# KiCad board RX8-7(Finished_BeforeESPChange).kicad_pcb
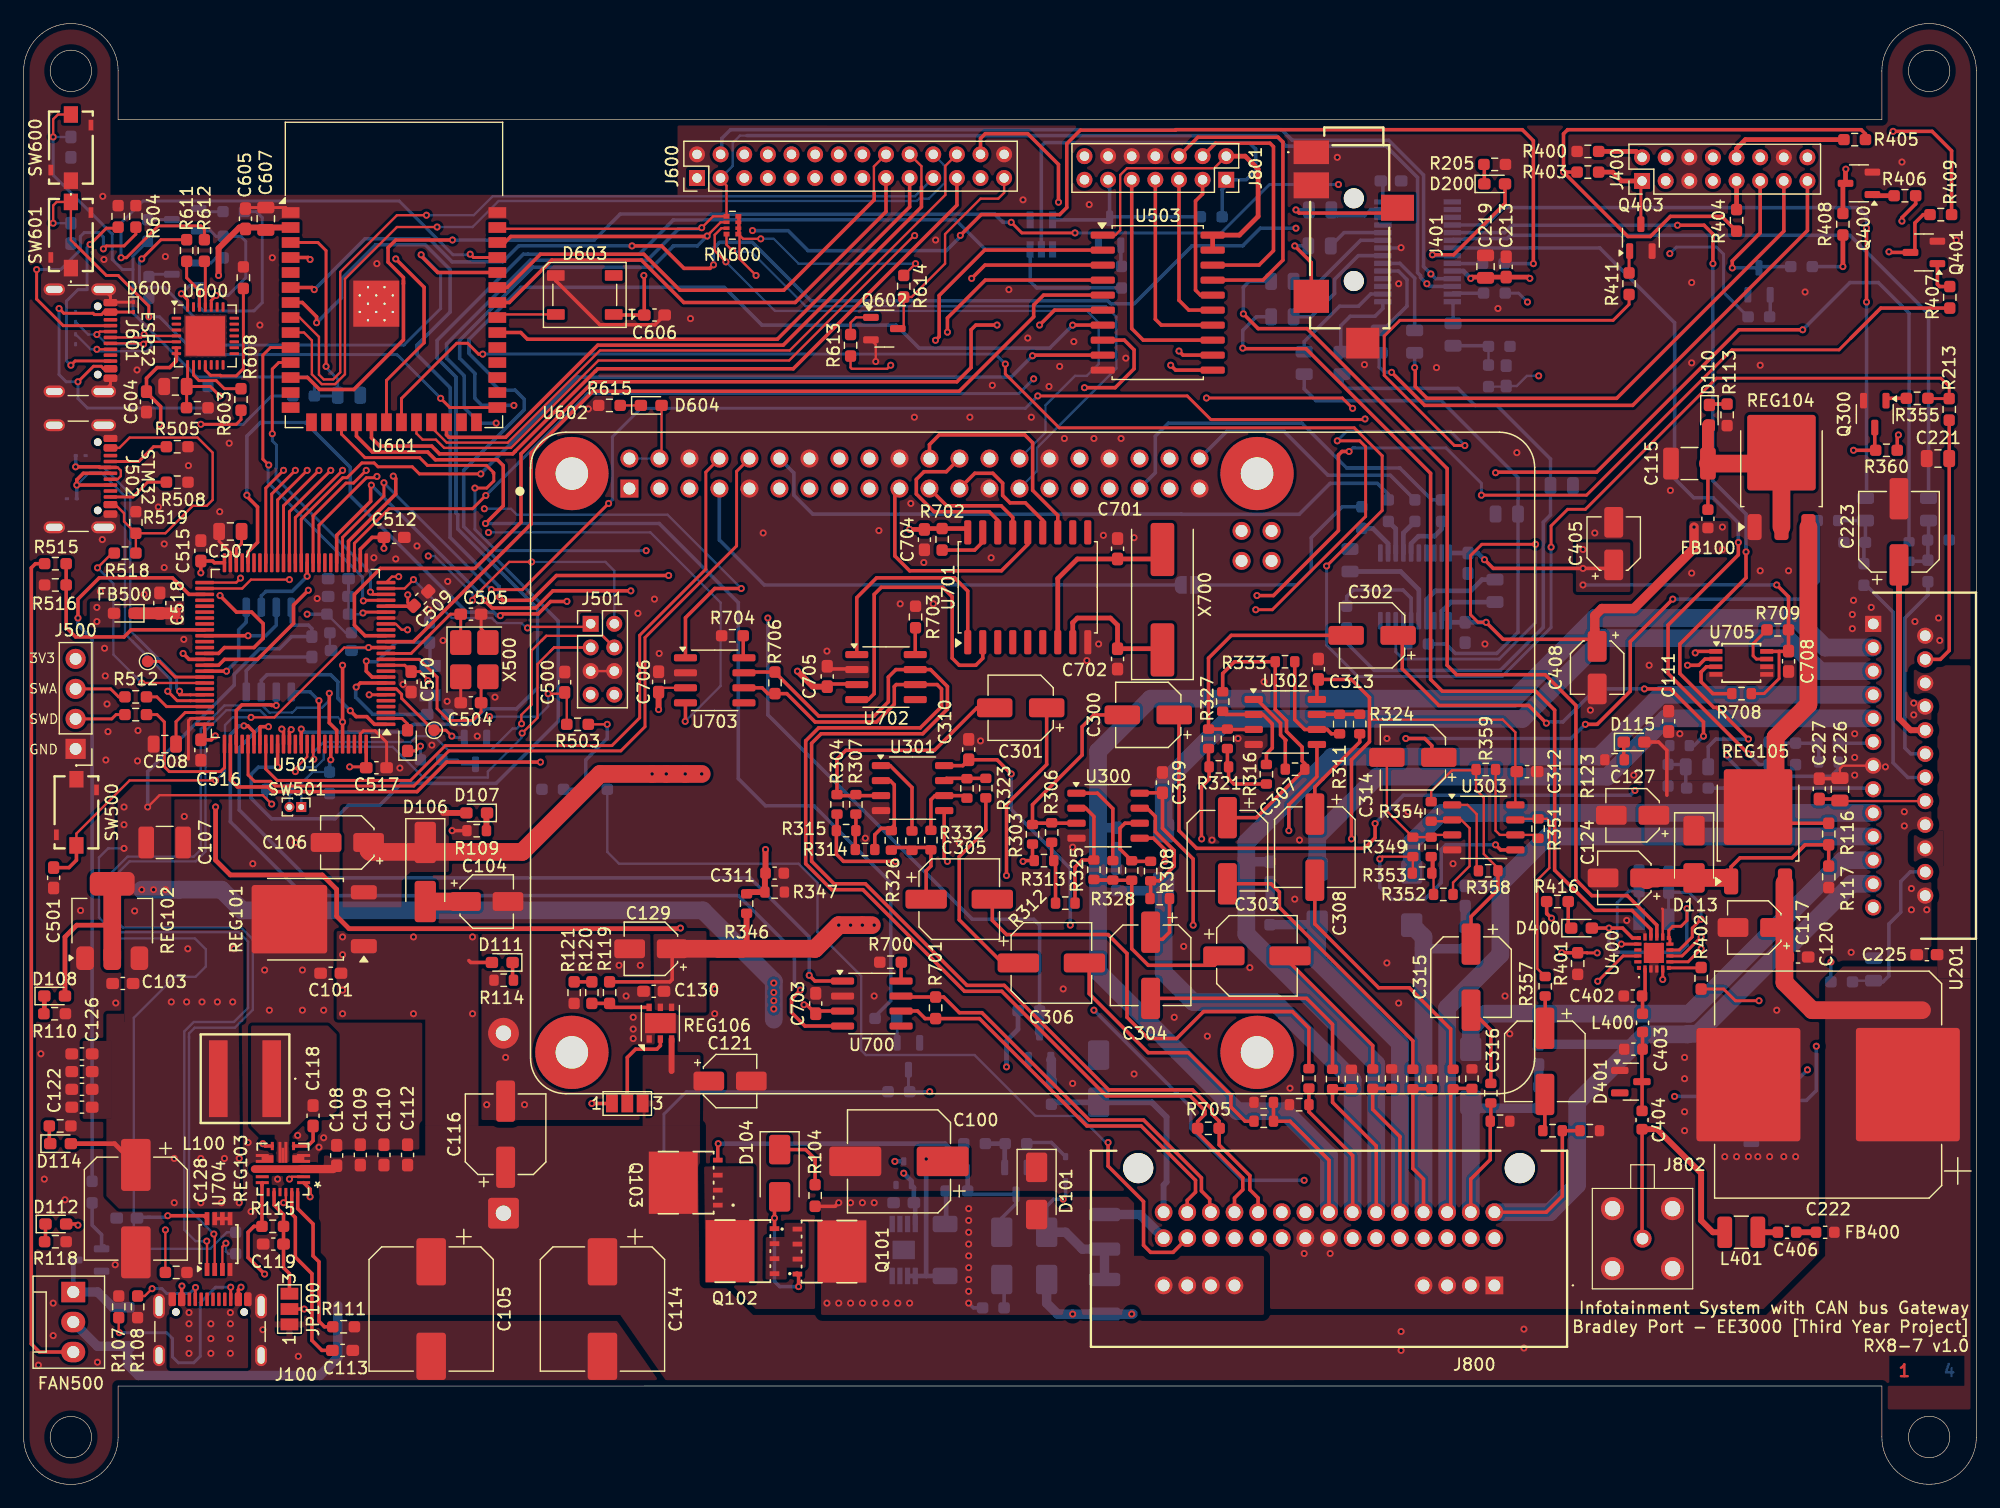
[diagram p0: board, top side]
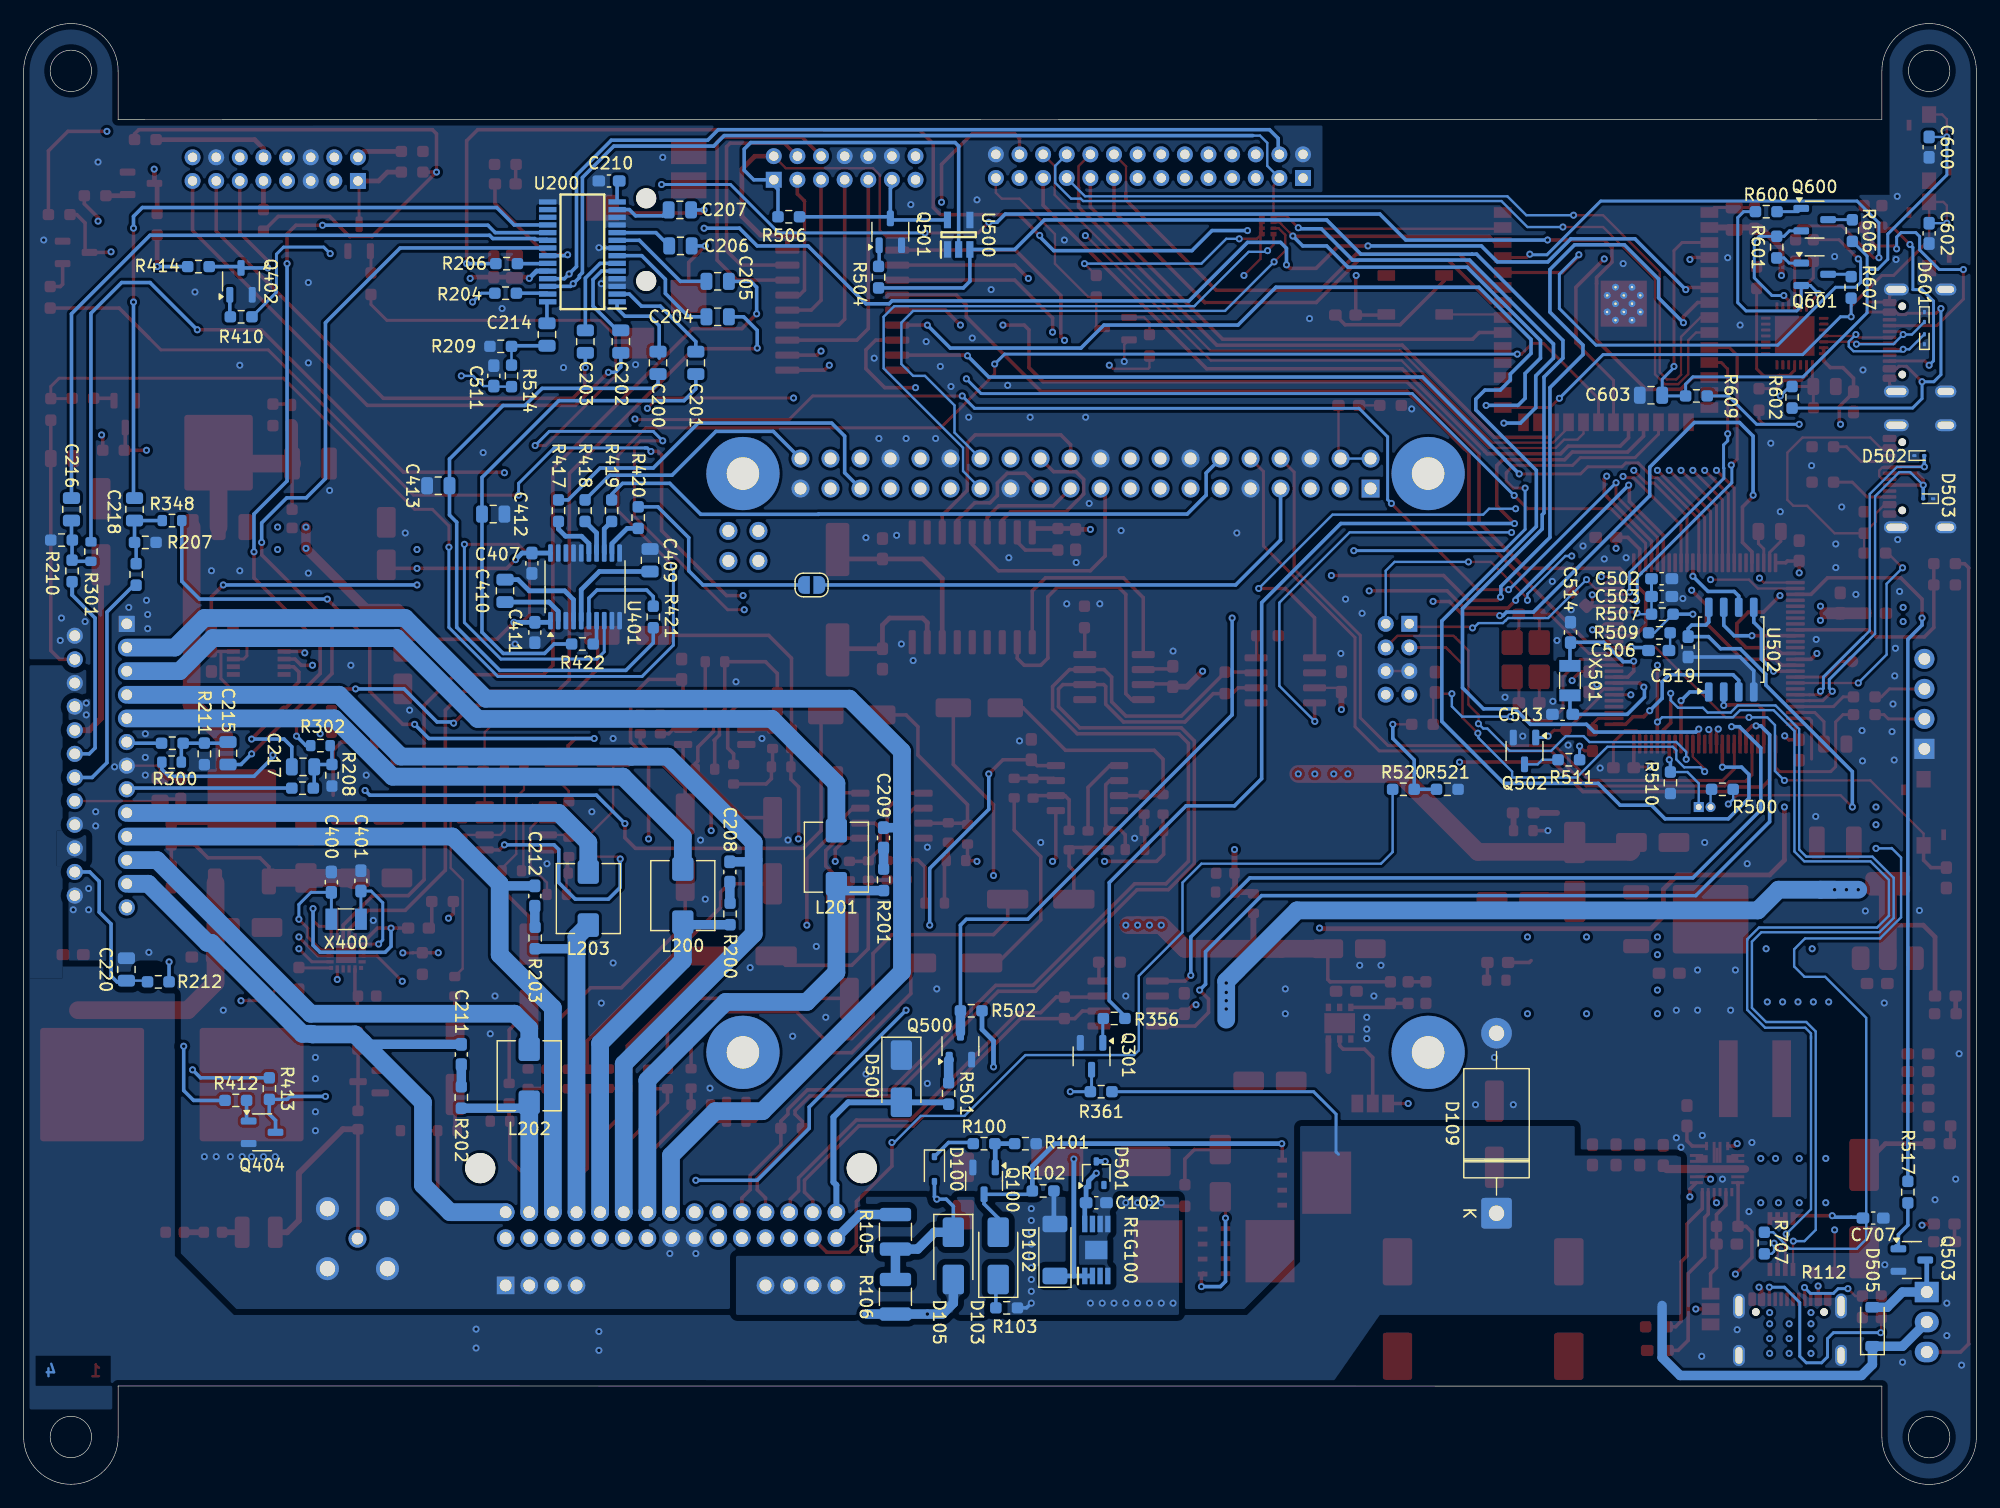
[diagram p1: board, bottom side, seen from below]

Outline 165.3 x 123.66 mm; copper layers: Top, In1.Cu, In2.Cu, Bottom. Coordinates in mm from the lower left corner of the outline.
Outline path: circle c4,119.66 r1.75 ; circle c4,4 r1.75 ; circle c161.3,119.66 r1.75 ; circle c161.3,4.01 r1.75 ; 0,119.66 0,4.01 arc(3.99,0) 8,3.98 8,8.32 157.3,8.33 157.3,4.02 arc(161.29,0.01) 165.3,3.99 165.3,119.68 arc(161.29,123.66) 157.3,119.66 157.3,115.53 8,115.54 8,119.68 arc(3.99,123.66) 0,119.66
Stack: Top 0.035mm / dielectric 0.1mm FR4 er 4.5 / In1.Cu 0.035mm / dielectric 1.24mm FR4 er 4.5 / In2.Cu 0.035mm / dielectric 0.1mm FR4 er 4.5 / Bottom 0.035mm

## Placement (name value [footprint] x y rotation side)
C100  10u  [CP_Elec_8x10.5]  74.1 27.34 180 top
C101  100n  [C_0603_1608Metric_Pad1.08x0.95mm_HandSolder]  26 43.27 180 top
C102  100n  [C_0603_1608Metric_Pad1.08x0.95mm_HandSolder]  74.5 23.84 180 bottom
C103  100n  [C_0603_1608Metric_Pad1.08x0.95mm_HandSolder]  8.4 42.4 180 top
C104  10u  [CP_Elec_4x5.4]  39.2 49.34 0 top
C105  220u  [CP_Elec_10x10]  34.5 14.84 270 top
C106  1u  [CP_Elec_4x5.7]  27.4 54.34 180 top
C107  10u  [C_1210_3225Metric_Pad1.33x2.70mm_HandSolder]  11.94 54.34 0 top
C108  10u  [C_0603_1608Metric_Pad1.08x0.95mm_HandSolder]  26.5 27.84 90 top
C109  10u  [C_0603_1608Metric_Pad1.08x0.95mm_HandSolder]  28.5 27.89 90 top
C110  100n  [C_0603_1608Metric_Pad1.08x0.95mm_HandSolder]  30.5 27.89 90 top
C111  100n  [C_0603_1608Metric_Pad1.08x0.95mm_HandSolder]  139.25 64.59 90 top
C112  100n  [C_0603_1608Metric_Pad1.08x0.95mm_HandSolder]  32.5 27.89 90 top
C113  22n  [C_0603_1608Metric_Pad1.08x0.95mm_HandSolder]  27 11.34 0 top
C114  100u  [CP_Elec_10x10]  49 14.84 270 top
C115  10u  [C_1210_3225Metric_Pad1.33x2.70mm_HandSolder]  141.01 86.42 180 top
C116  47u  [CP_Elec_6.3x5.9]  40.8 29.64 90 top
C117  10u  [CP_Elec_4x5.4]  146.5 47.14 180 top
C118  100n  [C_0603_1608Metric_Pad1.08x0.95mm_HandSolder]  24.5 31.21 90 top
C119  4u7  [C_0603_1608Metric_Pad1.08x0.95mm_HandSolder]  21.14 20.34 180 top
C120  100n  [C_0603_1608Metric_Pad1.08x0.95mm_HandSolder]  150.2 44.64 0 top
C121  10u  [CP_Elec_4x5.4]  59.8 34.14 0 top
C122  47u  [C_0603_1608Metric_Pad1.08x0.95mm_HandSolder]  4.94 31.93 180 top
C123  47u  [C_0603_1608Metric_Pad1.08x0.95mm_HandSolder]  4.94 33.44 180 top
C124  10u  [CP_Elec_4x5.4]  135.5 51.34 180 top
C125  22u  [C_0603_1608Metric_Pad1.08x0.95mm_HandSolder]  4.94 34.94 180 top
C126  22uF  [C_0603_1608Metric_Pad1.08x0.95mm_HandSolder]  4.94 36.44 180 top
C127  1u  [CP_Elec_4x5.4]  136.2 56.64 180 top
C128  470u  [CP_Elec_8x10.5]  9.5 23.34 270 top
C129  4u7  [CP_Elec_4x5.4]  53.1 45.34 180 top
C130  100n  [C_0603_1608Metric_Pad1.08x0.95mm_HandSolder]  53.34 41.74 180 top
C200  1u  [C_0805_2012Metric]  111.6 94.94 90 bottom
C201  1u  [C_0805_2012Metric]  108.4 94.94 90 bottom
C202  1u  [C_0805_2012Metric]  114.75 96.74 90 bottom
C203  1u  [C_0805_2012Metric]  117.75 96.74 90 bottom
C204  1u  [C_0805_2012Metric]  106.55 98.84 0 bottom
C205  1u  [C_0805_2012Metric]  106.55 101.84 0 bottom
C206  1u  [C_0805_2012Metric]  109.7 104.84 0 bottom
C207  1u  [C_0805_2012Metric]  109.75 107.89 0 bottom
C208  100n  [C_0603_1608Metric_Pad1.08x0.95mm_HandSolder]  105.52 51.84 90 bottom
C209  100n  [C_0603_1608Metric_Pad1.08x0.95mm_HandSolder]  92.51 54.73 90 bottom
C210  470n  [C_0603_1608Metric_Pad1.08x0.95mm_HandSolder]  115.75 110.34 0 bottom
C211  100n  [C_0603_1608Metric_Pad1.08x0.95mm_HandSolder]  128.25 36.39 90 bottom
C212  100n  [C_0603_1608Metric_Pad1.08x0.95mm_HandSolder]  122.03 49.81 90 bottom
C213  100n  [C_0603_1608Metric_Pad1.08x0.95mm_HandSolder]  125.5 103.07 90 top
C214  1u  [C_0805_2012Metric]  121 97.34 270 bottom
C215  2u2  [C_0805_2012Metric]  148 61.89 90 bottom
C216  2u2  [C_0805_2012Metric]  161.25 82.54 270 bottom
C217  2u2  [C_0805_2012Metric]  141.65 60.74 180 bottom
C218  2u2  [C_0805_2012Metric]  155.91 82.54 270 bottom
C219  10u  [C_0805_2012Metric]  123.75 103.09 90 top
C220  1u  [C_0805_2012Metric]  156.6 43.59 90 bottom
C221  1u  [C_0805_2012Metric]  162.05 86.84 180 top
C222  4700u  [CP_Elec_18x22]  152.75 33.84 180 top
C223  47u  [CP_Elec_6.3x5.9]  158.75 80.64 90 top
C225  100n  [C_0603_1608Metric_Pad1.08x0.95mm_HandSolder]  161.11 44.84 180 top
C226  470n  [C_0805_2012Metric]  153.75 58.84 90 top
C227  100n  [C_0603_1608Metric_Pad1.08x0.95mm_HandSolder]  152 58.88 90 top
C300  4u7  [CP_Elec_5x4.5]  95.2 65.14 180 top
C301  4u7  [CP_Elec_5x4.5]  84.4 65.74 180 top
C302  4u7  [CP_Elec_5x4.5]  114.15 71.87 180 top
C303  220u  [CP_Elec_6.3x5.3]  104.4 44.74 0 top
C304  220u  [CP_Elec_6.3x5.3]  95.4 43.94 270 top
C305  220u  [CP_Elec_6.3x5.3]  79.2 49.54 0 top
C306  220u  [CP_Elec_6.3x5.3]  87 44.14 0 top
C307  220u  [CP_Elec_6.3x5.3]  101.9 53.64 270 top
C308  220u  [CP_Elec_6.3x5.3]  109.3 53.94 270 top
C309  100n  [C_0603_1608Metric_Pad1.08x0.95mm_HandSolder]  96.4 59.41 270 top
C310  100n  [C_0603_1608Metric_Pad1.08x0.95mm_HandSolder]  80 62.21 270 top
C311  100n  [C_0603_1608Metric]  63.57 51.74 0 top
C312  100n  [C_0603_1608Metric_Pad1.08x0.95mm_HandSolder]  127.26 60.34 180 top
C313  100n  [C_0603_1608Metric_Pad1.08x0.95mm_HandSolder]  109.6 69.01 270 top
C314  4u7  [CP_Elec_5x4.5]  117.6 61.54 180 top
C315  220u  [CP_Elec_6.3x5.3]  122.52 42.94 270 top
C316  220u  [CP_Elec_6.3x5.3]  128.77 35.81 270 top
C400  22p  [C_0603_1608Metric_Pad1.08x0.95mm_HandSolder]  139.25 50.98 90 bottom
C401  22p  [C_0603_1608Metric_Pad1.08x0.95mm_HandSolder]  136.75 51.09 90 bottom
C402  NA  [C_0603_1608Metric]  136.22 41.34 0 top
C403  NA  [C_0603_1608Metric]  136.26 36.84 0 top
C404  470p  [C_0603_1608Metric]  137 30.84 270 top
C405  10u  [CP_Elec_4x5.4]  134.6 79.64 90 top
C406  10u  [C_0603_1608Metric]  149.28 21.34 0 top
C407  100n  [C_0603_1608Metric_Pad1.08x0.95mm_HandSolder]  122.28 77.98 270 bottom
C408  10u  [CP_Elec_4x5.4]  133.2 69.14 270 top
C409  2u2  [C_0805_2012Metric]  112.28 78.23 270 bottom
C410  2u2  [C_0805_2012Metric]  124.55 75.64 270 bottom
C411  100n  [C_0603_1608Metric_Pad1.08x0.95mm_HandSolder]  122.03 72.12 270 bottom
C412  2u2  [C_0805_2012Metric]  125.55 82.14 0 bottom
C413  2u2  [C_0805_2012Metric]  130.2 84.54 180 bottom
C500  100n  [C_0603_1608Metric_Pad1.08x0.95mm_HandSolder]  45.8 67.91 90 top
C501  100n  [C_0603_1608Metric_Pad1.08x0.95mm_HandSolder]  2.54 51.35 90 top
C502  100n  [C_0603_1608Metric_Pad1.08x0.95mm_HandSolder]  26.64 76.67 180 bottom
C503  10u  [C_0603_1608Metric_Pad1.08x0.95mm_HandSolder]  26.64 75.17 180 bottom
C504  12p  [C_0603_1608Metric_Pad1.08x0.95mm_HandSolder]  37.86 66.17 0 top
C505  12p  [C_0603_1608Metric_Pad1.08x0.95mm_HandSolder]  37.86 73.67 0 top
C506  100n  [C_0603_1608Metric_Pad1.08x0.95mm_HandSolder]  26.89 70.59 0 bottom
C507  2u2  [C_0805_2012Metric]  17.5 80.67 180 top
C508  2u2  [C_0805_2012Metric]  11.95 62.67 180 top
C509  100n  [C_0603_1608Metric_Pad1.08x0.95mm_HandSolder]  33.64 74.98 225 top
C510  100n  [C_0603_1608Metric_Pad1.08x0.95mm_HandSolder]  32.8 67.94 90 top
C511  100n  [C_0603_1608Metric_Pad1.08x0.95mm_HandSolder]  125.5 93.84 270 bottom
C512  100n  [C_0603_1608Metric_Pad1.08x0.95mm_HandSolder]  31.36 80.17 180 top
C513  15p  [C_0603_1608Metric_Pad1.08x0.95mm_HandSolder]  35.02 65.19 0 bottom
C514  15p  [C_0603_1608Metric_Pad1.08x0.95mm_HandSolder]  34.36 72.13 90 bottom
C515  100n  [C_0603_1608Metric_Pad1.08x0.95mm_HandSolder]  15 79.03 270 top
C516  100n  [C_0603_1608Metric_Pad1.08x0.95mm_HandSolder]  15 62.17 90 top
C517  100n  [C_0603_1608Metric_Pad1.08x0.95mm_HandSolder]  29.86 60.67 180 top
C518  10u  [C_0603_1608Metric_Pad1.08x0.95mm_HandSolder]  11.53 74.61 90 top
C519  100n  [C_0603_1608Metric_Pad1.08x0.95mm_HandSolder]  24.4 70.91 90 bottom
C600  100n  [C_0603_1608Metric_Pad1.08x0.95mm_HandSolder]  4 113.21 90 bottom
C601  1u  [C_0805_2012Metric]  12.85 92.94 180 top
C602  100n  [C_0603_1608Metric_Pad1.08x0.95mm_HandSolder]  4 105.91 90 bottom
C603  1u  [C_0805_2012Metric]  27.54 92.2 0 bottom
C604  100n  [C_0603_1608Metric_Pad1.08x0.95mm_HandSolder]  10.4 91.64 270 top
C605  100n  [C_0603_1608Metric_Pad1.08x0.95mm_HandSolder]  18.78 107.14 90 top
C606  100n  [C_0603_1608Metric_Pad1.08x0.95mm_HandSolder]  53.4 98.99 0 top
C607  10u  [C_0805_2012Metric]  20.5 107.14 90 top
C701  22p  [C_0603_1608Metric_Pad1.08x0.95mm_HandSolder]  92.6 79.21 270 top
C702  22p  [C_0603_1608Metric_Pad1.08x0.95mm_HandSolder]  92.6 69.88 90 top
C703  100n  [C_0603_1608Metric_Pad1.08x0.95mm_HandSolder]  67.05 40.71 270 top
C704  100n  [C_0603_1608Metric_Pad1.08x0.95mm_HandSolder]  76.25 79.98 90 top
C705  100n  [C_0603_1608Metric_Pad1.08x0.95mm_HandSolder]  68.02 68.39 270 top
C706  100n  [C_0603_1608Metric_Pad1.08x0.95mm_HandSolder]  53.75 67.93 270 top
C707  100n  [C_0603_1608Metric_Pad1.08x0.95mm_HandSolder]  8.74 22.54 0 bottom
C708  100n  [C_0603_1608Metric_Pad1.08x0.95mm_HandSolder]  149.4 69.68 90 top
D100  RF05VYM1SFHTR  [D_SOD-323]  88.2 26.69 270 bottom
D101  SMAJ24A  [D_SMA]  85.75 24.84 270 top
D102  1N5402  [D_SOD-128]  78 19.84 90 bottom
D103  Zener_15V  [D_SMA]  82.8 19.34 90 bottom
D104  Zener_15V  [D_SMA]  64 26.34 270 top
D105  Zener_15V  [D_SMA]  86.6 19.34 270 bottom
D106  1N4007  [D_SMA_Handsoldering]  34 51.84 270 top
D107  LED  [LED_0603_1608Metric_Pad1.05x0.95mm_HandSolder]  38.35 56.84 180 top
D108  LED  [LED_0603_1608Metric_Pad1.05x0.95mm_HandSolder]  2.63 41.34 0 top
D109  1.5KExxA  [D_DO-201AE_P15.24mm_Horizontal]  40.62 22.95 90 bottom
D110  LED  [LED_0603_1608Metric_Pad1.05x0.95mm_HandSolder]  142.7 90.51 270 top
D111  LED  [LED_0603_1608Metric_Pad1.05x0.95mm_HandSolder]  40.52 44.18 180 top
D112  LED  [LED_0603_1608Metric_Pad1.05x0.95mm_HandSolder]  2.72 22.04 0 top
D113  1N4007  [D_SMA]  141.4 53.34 270 top
D114  LED  [LED_0603_1608Metric_Pad1.05x0.95mm_HandSolder]  3.12 28.84 0 top
D115  LED  [LED_0603_1608Metric_Pad1.05x0.95mm_HandSolder]  136.32 62.84 0 top
D200  LED  [LED_0603_1608Metric_Pad1.05x0.95mm_HandSolder]  124.53 110.09 0 top
D400  LED  [LED_0603_1608Metric_Pad1.05x0.95mm_HandSolder]  131.88 47.09 0 top
D401  NUP2105L  [SOT-23]  136.05 34.09 0 top
D500  SMAJ24A  [D_SMA]  91 34.34 270 bottom
D501  BAT54W  [SOT-323_SC-70]  74.5 26.34 90 bottom
D502  ESD9B5.0ST5G  [D_SOD-923]  4.83 87.09 180 bottom
D503  ESD9B5.0ST5G  [D_SOD-923]  4.08 83.44 0 bottom
D504  LED  [LED_0603_1608Metric_Pad1.05x0.95mm_HandSolder]  32.5 62.97 90 top
D505  1N4001  [D_SOD-123]  8.8 13.34 90 bottom
D600  ESD9B5.0ST5G  [D_SOD-923]  9.3 99.66 270 top
D601  ESD9B5.0ST5G  [D_SOD-923]  4.4 98.82 270 bottom
D602  ESD9B5.0ST5G  [D_SOD-923]  4.4 96.94 90 bottom
D603  WS2812B  [LED_WS2812B_PLCC4_5.0x5.0mm_P3.2mm]  47.5 100.69 180 top
D604  LED  [LED_0603_1608Metric_Pad1.05x0.95mm_HandSolder]  53.12 91.34 0 top
FAN500  Fan_3pin  [FanPinHeader_1x03_P2.54mm_Vertical]  4.2 16.28 270 top
FB100  FerriteBead  [C_0603_1608Metric]  142.58 81.74 90 top
FB400  FerriteBead  [C_0603_1608Metric]  152.5 21.34 180 top
FB500  FerriteBead  [LED_0603_1608Metric_Pad1.05x0.95mm_HandSolder]  8.53 73.74 180 top
J100  USB_C_Receptacle_USB2.0_16P  [USB_C_Receptacle_GCT_USB4105-xx-A_16P_TopMnt_Horizontal]  15.78 11.99 0 top
J400  Conn_01x15_Pin  [PinHeader_2x08_P2.00mm_Vertical]  137 110.34 90 top
J401  -  [35RASMT6CHNTRX]  112.6 105.74 270 top
J500  Conn_01x04_Pin  [PinHeader_1x04_P2.54mm_Vertical]  4.4 62.26 180 top
J501  Conn_01x04_Pin  [PinHeader_2x04_P2.00mm_Vertical]  48 72.85 0 top
J502  USB_C_Receptacle_USB2.0_16P  [USB_C_Receptacle_GCT_USB4105-xx-A_16P_TopMnt_Horizontal]  3.67 85.34 270 top
J600  Conn_01x24_Pin  [PinHeader_2x14_P2.00mm_Vertical]  57 110.59 90 top
J601  USB_C_Receptacle_USB2.0_16P  [USB_C_Receptacle_GCT_USB4105-xx-A_16P_TopMnt_Horizontal]  3.67 96.84 270 top
J800  34958-0383  [349580383]  124.5 16.84 180 top
J801  Conn_01x12_Pin  [PinSocket_2x07_P2.00mm_Vertical]  101.8 110.44 270 top
J802  59S10H-400T5-A  [59S10H400T5A]  134.5 23.34 0 top
JP100  Jumper_3_Bridged12  [SolderJumper-3_P1.3mm_Open_Pad1.0x1.5mm_NumberLabels]  22.5 14.84 90 top
JP101  Jumper_3_Bridged12  [SolderJumper-3_P1.3mm_Open_Pad1.0x1.5mm_NumberLabels]  51.1 32.24 0 top
JP600  Jumper_2_Open  [SolderJumper-2_P1.3mm_Open_RoundedPad1.0x1.5mm]  98.6 76.14 0 bottom
L100  4.7uH  [XAL7030472MEC]  18.74 34.34 180 top
L200  10u  [L_Bourns_SRP5030T]  109.5 49.84 270 bottom
L201  10u  [L_Bourns_SRP5030T]  96.5 53.09 270 bottom
L202  10u  [L_Bourns_SRP5030T]  122.5 34.59 270 bottom
L203  10u  [L_Bourns_SRP5030T]  117.5 49.59 270 bottom
L400  NA  [C_0603_1608Metric]  137.04 39.07 270 top
L401  10u  [L_1210_3225Metric]  145.4 21.34 0 top
Q100  NPN  [SOT-23-3(CORRECTED)]  84 25.69 270 bottom
Q101  SQJ407EP-T1_GE3  [PowerPAK-SO-8L_Option-2_VIS]  68.21 19.71 0 top
Q102  SQJ407EP-T1_GE3  [PowerPAK-SO-8L_Option-2_VIS]  60.85 19.74 180 top
Q103  SQJ407EP-T1_GE3  [PowerPAK-SO-8L_Option-2_VIS]  56.05 25.54 180 top
Q300  NPN  [SOT-23-3(CORRECTED)]  156.7 90.61 270 top
Q301  NPN  [SOT-23-3(CORRECTED)]  74.9 36.24 270 bottom
Q400  NPN  [SOT-23-3(CORRECTED)]  155.36 110.14 180 top
Q401  NPN  [SOT-23-3(CORRECTED)]  160.86 104.29 180 top
Q402  NPN  [SOT-23-3(CORRECTED)]  146.9 101.84 90 bottom
Q403  NPN  [SOT-23-3(CORRECTED)]  136.9 105.54 90 top
Q404  NPN  [SOT-23-3(CORRECTED)]  145.11 29.81 180 bottom
Q500  NPN  [SOT-23-3(CORRECTED)]  86 37.09 90 bottom
Q501  NPN  [SOT-23-3(CORRECTED)]  91.93 106.04 90 bottom
Q502  NPN  [SOT-23-3(CORRECTED)]  38.25 62.09 270 bottom
Q503  NPN  [SOT-23-3(CORRECTED)]  5.46 18.99 180 bottom
Q600  NPN  [SOT-23-3(CORRECTED)]  13.69 107.07 180 bottom
Q601  NPN  [SOT-23-3(CORRECTED)]  13.69 102.44 180 bottom
Q602  NPN  [SOT-23-3(CORRECTED)]  72.86 97.84 0 top
R100  22k  [R_0603_1608Metric_Pad0.98x0.95mm_HandSolder]  84 28.84 180 bottom
R101  10k  [R_0603_1608Metric_Pad0.98x0.95mm_HandSolder]  80.5 28.84 0 bottom
R102  10k  [R_0603_1608Metric_Pad0.98x0.95mm_HandSolder]  79 24.84 180 bottom
R103  2k5  [R_0603_1608Metric_Pad0.98x0.95mm_HandSolder]  82.09 14.94 180 bottom
R104  2k5  [R_0603_1608Metric_Pad0.98x0.95mm_HandSolder]  67 24.46 270 top
R105  10k  [R_1210_3225Metric]  91.5 21.38 270 bottom
R106  10k  [R_1210_3225Metric]  91.5 15.88 90 bottom
R107  5k1  [R_0603_1608Metric_Pad0.98x0.95mm_HandSolder]  8.05 15.03 90 top
R108  5k1  [R_0603_1608Metric_Pad0.98x0.95mm_HandSolder]  9.65 15.03 270 top
R109  22k  [R_0603_1608Metric]  38.35 55.34 0 top
R110  22k  [R_0603_1608Metric_Pad0.98x0.95mm_HandSolder]  2.62 39.84 0 top
R111  62k  [R_0603_1608Metric_Pad0.98x0.95mm_HandSolder]  27.09 13.34 0 top
R112  51k  [R_0603_1608Metric_Pad0.98x0.95mm_HandSolder]  12.91 17.94 0 top
R113  22k  [R_0603_1608Metric_Pad0.98x0.95mm_HandSolder]  144.2 90.54 270 top
R114  22k  [R_0603_1608Metric]  40.64 42.68 0 top
R115  100k  [R_0603_1608Metric_Pad0.98x0.95mm_HandSolder]  21.09 21.84 0 top
R116  240R  [R_0603_1608Metric_Pad0.98x0.95mm_HandSolder]  152.8 55.06 270 top
R117  1k5  [R_0603_1608Metric_Pad0.98x0.95mm_HandSolder]  152.8 51.43 270 top
R118  2K2  [R_0603_1608Metric_Pad0.98x0.95mm_HandSolder]  2.69 20.54 180 top
R119  2k  [R_0603_1608Metric_Pad0.98x0.95mm_HandSolder]  49.6 41.63 90 top
R120  12k  [R_0603_1608Metric_Pad0.98x0.95mm_HandSolder]  48.1 41.63 270 top
R121  1k8  [R_0603_1608Metric_Pad0.98x0.95mm_HandSolder]  46.6 41.63 90 top
R122  2K2  [R_0603_1608Metric_Pad0.98x0.95mm_HandSolder]  3.09 30.34 180 top
R123  22k  [R_0603_1608Metric]  134.68 61.34 0 top
R200  10R  [R_0603_1608Metric_Pad0.98x0.95mm_HandSolder]  105.5 48.29 90 bottom
R201  10R  [R_0603_1608Metric_Pad0.98x0.95mm_HandSolder]  92.5 51.18 90 bottom
R202  10R  [R_0603_1608Metric_Pad0.98x0.95mm_HandSolder]  128.25 32.76 90 bottom
R203  10R  [R_0603_1608Metric_Pad0.98x0.95mm_HandSolder]  122 46.26 90 bottom
R204  100k  [R_0603_1608Metric_Pad0.98x0.95mm_HandSolder]  124.5 100.84 0 bottom
R205  22k  [R_0603_1608Metric_Pad0.98x0.95mm_HandSolder]  124.53 111.74 0 top
R206  10k  [R_0603_1608Metric_Pad0.98x0.95mm_HandSolder]  124.41 103.34 0 bottom
R207  10k  [R_0603_1608Metric_Pad0.98x0.95mm_HandSolder]  155 79.74 180 bottom
R208  10k  [R_0603_1608Metric_Pad0.98x0.95mm_HandSolder]  139.2 60.03 270 bottom
R209  10k  [R_0603_1608Metric_Pad0.98x0.95mm_HandSolder]  124.91 96.34 0 bottom
R210  10k  [R_0603_1608Metric_Pad0.98x0.95mm_HandSolder]  162.09 79.94 0 bottom
R211  10k  [R_0603_1608Metric_Pad0.98x0.95mm_HandSolder]  150 61.84 270 bottom
R212  47k  [R_0603_1608Metric_Pad0.98x0.95mm_HandSolder]  153.9 42.54 0 bottom
R213  10k  [R_0603_1608Metric_Pad0.98x0.95mm_HandSolder]  163 91.01 270 top
R300  4k3  [R_0603_1608Metric]  152.78 61.14 0 bottom
R301  4k3  [R_0603_1608Metric]  159.6 78.97 90 bottom
R302  4k3  [R_0603_1608Metric]  140.18 62.54 0 bottom
R303  0R  [R_0603_1608Metric]  85.4 55.03 90 top
R304  0R  [R_0603_1608Metric]  68.85 57.57 90 top
R305  0R  [R_0603_1608Metric]  100.3 63.12 90 top
R306  27k  [R_0603_1608Metric]  87.03 55.18 270 top
R307  27k  [R_0603_1608Metric]  70.45 57.57 270 top
R308  4k7  [R_0603_1608Metric]  95.4 51.92 90 top
R309  4k7  [R_0603_1608Metric]  79.85 58.92 270 top
R310  27k  [R_0603_1608Metric]  101.9 63.12 270 top
R311  4k7  [R_0603_1608Metric]  111.4 64.37 270 top
R312  4k7  [R_0603_1608Metric]  88.18 49.21 0 top
R313  0R  [R_0603_1608Metric]  86.38 52.81 0 top
R314  4k7  [R_0603_1608Metric]  71.22 53.74 0 top
R315  0R  [R_0603_1608Metric]  69.62 55.34 0 top
R316  4k7  [R_0603_1608Metric]  105.2 60.12 90 top
R317  0R  [R_0603_1608Metric_Pad0.98x0.95mm_HandSolder]  152.71 62.74 180 bottom
R318  0R  [R_0603_1608Metric_Pad0.98x0.95mm_HandSolder]  161.2 77.33 90 bottom
R319  0R  [R_0603_1608Metric_Pad0.98x0.95mm_HandSolder]  141.69 58.94 180 bottom
R320  0R  [R_0603_1608Metric_Pad0.98x0.95mm_HandSolder]  155.78 77.03 90 bottom
R321  0R  [R_0603_1608Metric]  101.18 60.74 0 top
R322  4R7  [R_0603_1608Metric]  96.18 49.59 180 top
R323  4R7  [R_0603_1608Metric]  81.45 58.94 90 top
R324  4R7  [R_0603_1608Metric]  113.1 64.37 90 top
R325  1k  [R_0603_1608Metric]  90.6 52.03 90 top
R326  1k  [R_0603_1608Metric]  73.45 54.52 90 top
R327  1k  [R_0603_1608Metric]  101.5 66.27 270 top
R328  4R7  [R_0603_1608Metric]  92.2 51.98 90 top
R329  4R7  [R_0603_1608Metric]  75.2 54.49 90 top
R330  4R7  [R_0603_1608Metric]  107.62 60.54 180 top
R331  4k7  [R_0603_1608Metric]  93.8 51.97 270 top
R332  4k7  [R_0603_1608Metric]  76.8 54.54 270 top
R333  4k7  [R_0603_1608Metric]  106.78 69.64 180 top
R334  0R  [R_0603_1608Metric]  114.2 34.34 270 top
R335  0R  [R_0603_1608Metric]  110.8 34.32 270 top
R336  0R  [R_0603_1608Metric]  108.8 34.37 270 top
R337  0R  [R_0603_1608Metric]  104.97 30.74 0 top
R338  0R  [R_0603_1608Metric]  117.6 34.32 270 top
R339  0R  [R_0603_1608Metric]  121 34.32 270 top
R340  10k  [R_0603_1608Metric]  115.8 34.34 270 top
R341  10k  [R_0603_1608Metric]  112.4 34.32 270 top
R342  10k  [R_0603_1608Metric]  107.97 32.14 0 top
R343  10k  [R_0603_1608Metric]  119.2 34.32 270 top
R344  10k  [R_0603_1608Metric]  122.6 34.34 270 top
R345  10k  [R_0603_1608Metric]  104.97 32.34 0 top
R346  3k3  [R_0603_1608Metric]  61.2 49.17 270 top
R347  3k3  [R_0603_1608Metric]  63.57 50.14 180 top
R348  4k3  [R_0603_1608Metric]  152.74 81.59 180 bottom
R349  0R  [R_0603_1608Metric]  117.6 53.97 90 top
R350  27k  [R_0603_1608Metric]  119.15 53.97 270 top